# KiCad board Rogelio Pineda part 3-AMLDC-2044B.kicad_pcb (continued)
## Routing (per net, layer and track width the routed paths; a pad name or vN(x,y) marks a point on that pad's centre or on a via; arc(x,y) is an arc through that point) (continued)
 140.83,179.99 141.08,183.21 141.32,187 141.14,189.93 141.08,191.46 140.96,203.32 140.6,203.68 v1(140.6,205.14) ; v1(330.64,114.25) 331.13,112.8 331.2,110.96 330.82,95.45 v1(330.58,92.78) ; v1(172.28,187.12) 172.95,184.88 172.94,157.81 ; v1(132.44,340.66) 132.75,339.27 133.52,337.44 134.33,334.56 134.7,333.18 134.89,331.44 135.16,330.14 135.27,319.43 135.44,315.76 135.47,300.52 135.07,294.68 135.16,292.03 134.92,289.28 134.79,283.78 134.74,282.89 134.45,277.2 ; v1(322.65,349.66) 322.82,348.19 323.13,345.86 323.2,306.82 323.4,298.08 323.97,282.58 324.63,271.03 325.28,250.63 325.41,248.03 325.64,241.57 325.68,241.11 325.94,235.37 327.43,215.49 327.73,211.37 327.65,208.24 327.62,203.53 327.78,198.24 327.69,193.31 327.65,190.4 327.65,180.94 327.72,180.17 327.64,176.2 327.72,168.96 327.65,158.81 327.7,157.41 327.56,147.44 327.57,146.47 327.57,145.86 327.49,132.29 327.14,129.67 326.6,126.19 326.18,124.63 325.41,119.74 324.66,117.25 324.18,112.74 324.19,111.88 324.24,108.65 323.59,105.64 323.19,103.61 323.11,102.78 322.74,101.46 322.79,96.35 322.87,90.77 322.73,78.11 ; v1(404.6,298.61) 404.79,300.54 404.74,301.39 404.77,302.12 405.46,303.97 406.38,305.45 406.78,306.54 406.96,308.08 406.85,309.45 406.7,310.12 406.17,312.63 405.82,313.87 405.69,315.07 405.55,315.9 405.4,316.89 405.32,318.17 405.31,319.02 405.28,320.71 v1(405.18,321.54) ; v1(223.82,282.43) 224.06,256.68 v1(223.86,250.87) ; 138.87,333.85 138.47,337.01 137.8,338.83 136.98,341.39 135.81,344.63 134.8,348.28 133.77,350.6 133.33,352.37 132.62,354.17 131.88,356.2 v1(131.51,357.37) ; 333.29,75.81 333.33,76.33 333.33,77.63 333.5,79.6 333.99,81.67 334.22,83.31 v1(334.16,83.61) ; v1(177.78,201.16) 177.78,201.6 177.96,203.39 178.11,205.42 178.33,206.92 178.32,209.01 178.39,210.86 178.45,212.31 178.59,214.3 178.71,217.59 178.95,223.25 178.77,233.21 178.84,238.42 178.84,242.65 178.75,243.5 178.44,247.93 177.83,250.02 177.09,252.01 176.86,254.17 ; v1(406.78,302.19) 407.39,303.42 407.65,304.43 407.88,305.61 407.86,306.4 407.88,307.51 407.85,308.81 407.9,309.39 407.73,311.93 407.38,313.36 407.19,314.95 407.01,316 406.85,319.72 407.02,321.27 407.23,322.34 407.36,323.37 407.49,324.49 407.6,329.24 407.55,330.76 407.64,332.27 407.68,335.43 407.68,337.02 407.73,340.26 407.73,341.46 407.7,342.8 407.67,343.4 407.55,346.46 407.39,347.44 407.3,347.65 v1(407.02,348.06) ; 140.04,248.44 139.91,247.11 139.76,246.28 139.68,242.81 139.68,242.22 139.96,241.32 140.53,239.34 140.74,239.13 141.1,237.84 141.12,233.21 140.97,232.26 140.71,230.33 140.74,229.43 140.74,229.25 140.94,227.91 141.1,227.45 v1(142.07,226.6) ; 215.68,238.92 215.91,235.39 215.94,233.96 215.88,221.35 ; 370.25,76.4 370.16,93.68 370.16,94.82 370.13,94.99 369.95,108.04 369.91,110.38 369.57,122.51 369.57,123.94 369.52,124.55 369.5,125.47 369.46,128.17 369.48,130.05 369.66,132.03 370,134.07 370.15,140.75 370.03,144.2 369.36,147.68 368.81,150.18 368.83,155.64 368.88,156.23 368.92,157.48 369.04,163.19 369.11,164.55 369.18,167.62 369.27,167.98 369.53,169.15 369.74,170.24 369.95,171.16 370.09,172.34 370.53,175.48 370.45,180.87 370.36,180.95 370.43,182.88 370.36,188.62 v1(369.95,189.31) ; v1(335.56,100.16) 335.61,99.74 335.73,98.62 335.82,98.21 335.92,97.44 336.12,96.09 336.05,96.31 336.22,94.75 336.22,76.46 336.04,76.27 ; v1(218.29,58.14) 218.29,57.5 218.08,57.29 218.02,38.38 v1(218.08,34.12) ; v1(99.05,59.73) 98.24,59.68 98.05,59.66 97.01,60.46 96.38,61.55 95.8,62.95 95.68,64.12 95.43,65.18 95.35,66.53 95.24,66.64 95.27,68 95.27,69.06 95.22,70.5 95.22,71.39 95.37,72.46 95.52,75.04 95.61,76.72 95.69,79.09 95.7,79.35 95.6,80.01 95.28,82.35 94.5,83.75 94.09,84.66 93.13,86.03 92.18,87.09 90.79,88.54 89.59,89.34 88.73,90.04 87.69,90.63 86.92,91.12 86.04,91.63 85.67,91.77 v1(85.16,92.31) ; v1(173.04,30.88) 173.19,42.72 173.23,44.02 173.25,46.21 173.27,49.3 v1(173.46,49.49) 173.35,54.38 173.37,56.75 173.37,57.68 v1(173.43,57.74) ; v1(325.86,214.78) 326.02,213.99 326.22,213.18 326.35,203.71 326.58,197.6 326.58,186.95 326.59,186.94 326.51,148.16 326.49,146.51 326.31,140.74 326.27,139.99 326.23,139.72 326.07,137.1 326,135.86 325.94,134.97 325.96,135.07 325.88,134.37 v1(325.73,133.38) ; v1(223.62,159.18) 223.89,158.52 223.92,157.77 223.79,130.09 223.77,125.05 v1(223.72,116.1) 223.93,116.31 ; v1(183.52,311.68) 183.3,311.06 183.67,309.16 183.99,307.7 184.17,305 184.25,304.66 184.29,303.61 184.28,296.49 184.29,294.85 184.34,292.09 184.28,291.1 184.25,291.07 184.25,281.22 184.2,280.87 184.22,279.31 184.28,277.18 184.19,273.5 184.26,271.67 184.26,261.61 184.22,261.56 184.32,261.46 184.22,248.43 184.22,246.28 184.2,242.51 184.17,241.22 184.17,234.91 184.2,234.44 184.07,232.29 183.95,230.99 183.92,230 v1(183.62,228.01) ; 219.93,53.82 v1(219.89,53.85) 219.93,57.66 219.98,58.75 219.98,59.14 219.97,59.55 219.97,61.58 220.25,63.29 220.56,64.24 220.94,65.41 221.36,69.1 221.5,70.42 221.59,74.41 221.59,75.8 221.74,82.71 221.65,85.12 221.51,86.27 221.18,92.52 220.87,100.23 220.74,103 220.7,105.2 220.4,108.33 219.71,112.28 218.4,118.75 217.62,122.93 217.53,126.59 218.4,132.06 217.84,144.23 217.89,144.27 217.58,154.69 217.41,156.67 216.91,159.54 216.84,161.79 217,163.13 217.27,165.99 217.58,167.67 217.7,169.09 217.08,173.09 216.96,175.3 217.66,176.64 v1(218.79,178.41) ; 176.85,254.01 176.9,255.42 177.02,258.3 177.17,261.27 177.09,261.35 177.33,263.36 177.41,271.74 177.53,273.13 177.6,276.1 177.56,276.15 177.56,278.57 177.53,280.79 177.5,284.62 177.6,286.16 ; 101.8,122.57 101.82,124.06 102.38,126.52 103.04,128.71 ; 106.61,173.3 106.74,169.36 106.8,168.33 106.95,166.6 106.97,165.58 106.77,163.89 106.71,162.78 106.49,160.86 106.29,160 105.78,156.26 105.53,155.12 105.33,152.1 105.23,151.37 105.1,150.2 105.01,149.25 104.92,147.46 104.9,147.12 104.72,144.47 104.65,143.7 104.69,142.19 104.73,141.37 104.63,135.04 104.66,133.51 104.64,131.09 104.61,130.34 104.1,128.47 103.42,126.33 102.92,124.57 102.74,123.52 102.92,121.43 103.18,120.23 103.39,118.86 103.62,116.96 103.87,109.91 103.85,108.81 103.85,107.97 103.87,107.66 104.04,103.41 103.77,85.89 103.76,84.48 103.68,83.09 103.5,82.14 103.26,81.25 102.99,80.83 102.74,79.9 102.52,79.25 102.37,76.8 103,76.23 104.02,75.25 104.39,74.69 104.48,73.73 103.69,71.69 103.35,69.78 103.83,68.68 104.42,66.52 104.67,65 104.67,60.69 104.66,60.62 104.38,58.31 104.22,57.63 104.15,56.8 103.98,55.83 103.9,55.27 v1(103.81,54.59) ; v1(133.85,301.75) 133.71,300.91 133.56,299.9 133.63,292.95 133.17,281.95 132.93,276.16 132.78,272.42 132.55,267.22 132.49,264.93 132.41,261.87 133.2,258.37 132.62,256.14 132.49,250.46 132.91,244.58 133.23,237.34 133.52,234.66 134.07,225.39 134.27,223.55 134.4,219.06 134.49,216.74 134.75,206.6 135.27,205.98 v1(135.65,205.07) ; v1(372.38,208.11) 372.62,208.35 372.62,219.08 372.6,220.19 372.83,223.91 373.34,225.11 373.95,226.27 374.13,226.61 374.69,228.52 374.67,230.19 374.75,231.31 374.82,234.69 374.78,235.22 374.79,235.67 374.9,255.53 374.77,256.27 374.67,256.65 374.54,257.25 374.26,258.19 374.17,258.33 373.89,258.94 373.74,259.35 373.25,260.33 372.88,261.31 372.36,262.77 372.4,263.78 372.48,264.05 372.67,265.48 373.12,266.68 373.5,268.65 373.41,270.27 373.09,272.62 372.71,273.55 372.43,275.46 372.42,276.19 372.55,276.95 372.95,277.73 373.79,279.54 373.91,281.42 373.89,281.44 373.96,282.43 373.98,285.43 374.01,286.15 374,286.83 374.26,300 374.05,301.67 373.78,305.04 373.07,307.65 373.13,309.39 373.22,309.97 373.57,311.16 374.23,313.31 374.18,322.05 374.08,323.45 373.9,324.62 373.64,325.24 373.06,326.35 372.78,326.83 372.5,327.69 372.32,328.41 372.32,329.56 372.6,331.16 372.64,332.29 372.78,333 372.84,334.51 372.81,335.93 372.96,338.24 372.93,338.87 372.86,341.51 372.99,341.64 372.99,346.76 v1(372.92,346.83) ; v1(168.53,68.49) 168.53,69.14 169.32,70.49 169.76,71.73 170.06,73 169.87,75.9 169.78,76.55 169.59,78.5 170.41,81.65 170.83,82.46 171.11,83.02 171.42,83.86 171.81,85.5 171.9,91.56 171.87,94.64 171.66,102.53 171.61,104.58 171.65,111.94 171.21,113.94 170.91,114.64 169.85,117.82 169.55,118.93 169.09,121.56 169.15,126.4 169.12,127.77 169.15,131.71 169.27,134.89 169.36,136.8 ; v1(180.55,311.91) 180.75,308.75 180.81,307.86 181,305.22 181.1,304.26 181.24,293.3 181.16,291.69 181.05,288.03 180.93,286.21 180.49,282.48 180.57,281.53 180.98,279.05 181.4,277.78 181.73,274.15 181.82,272.64 182.1,260.16 182.14,258 182.02,254.79 v1(182.27,254.55) ; v1(131.71,292.85) 131.95,291.19 132.04,289.87 132.08,285.68 132.16,279.77 131.89,274.37 131.85,273.71 131.81,273 131.62,269.65 131.6,269.51 131.56,265.96 131.51,263.42 131.41,261.42 131.48,260.44 131.84,258.42 131.95,256.92 131.3,254.86 130.62,254 v1(130.37,253.41) ; v1(335.76,208.66) 335.55,209.83 335.45,210.31 335.36,210.58 335.51,240.85 335.24,252.93 335.55,256.19 335.87,256.89 336.04,258.11 336.18,258.45 336.29,259.77 336.39,260.19 336.54,260.89 336.75,261.8 336.88,262.57 336.99,263.67 336.99,264.28 337.2,275.03 336.94,276.5 336.75,278.63 336.56,279.32 336.35,281.68 336.1,282.88 v1(336.02,283.35) ; v1(216.39,132.92) 216.46,132.99 216.46,142.31 216.47,145.42 216.63,150.54 216.7,151.22 216.49,154.38 216.52,154.88 216.2,156.99 216.01,159.51 215.89,161.55 216.06,166.88 215.94,170.13 215.88,178.49 ; 180.91,120.22 180.6,132.14 180.35,133.44 180.22,145.04 180.39,146.19 180.73,150.64 180.86,152.43 181.11,154.16 181.35,155.95 181.5,157.49 181.75,158.38 182.01,160.22 182.14,160.86 v1(182.27,161.86) ; 130.75,318.48 130.32,317.83 130.15,313.91 130.32,309.87 130.4,307.51 130.5,300.5 130.35,298.55 130.23,294.95 129.96,293.85 129.7,290.73 129.78,290.08 130.1,288.42 v1(130.3,287.57) ; 130.75,318.48 131.6,319.33 v1(131.71,319.33) ; 130.75,318.48 130.88,318.67 ; v1(286.5,286.16) 286.3,284.64 286.39,276.31 286.66,258.83 286.12,255.34 285.87,253.5 286.44,250.01 v1(286.44,249.32) ; 324.31,78.27 324.44,78.15 ; v1(142.27,229.81) 142.42,232.14 142.21,238.24 141.81,239.53 141.14,241.23 140.71,243.04 140.87,243.96 141.6,246.23 v1(142.07,247.06) ; v1(367.03,349.44) 367.01,349.42 367.14,348.64 366.88,346.87 366.67,345.1 366.58,344.59 366.48,343.59 366.35,343 366.24,341.95 366.19,341.04 366.16,340.79 366.12,339.09 366.04,338.28 365.96,337.74 365.89,336.53 365.86,336.37 365.59,333.82 365.42,332.53 365.13,330.51 364.91,329.16 364.75,327.43 364.65,326.54 364.51,325.69 364.48,324.94 364.45,324.1 364.39,323.23 364.27,320.19 364.25,319.18 364.11,315.77 364.11,313.98 364.18,310.83 364.16,310.25 364.26,309.28 364.24,308.32 364.37,305.78 364.19,305.21 v1(364.19,305.08) 364.2,304.34 363.8,301.6 363.66,300.83 363.63,299.39 363.64,298.49 363.64,296.96 363.69,295.92 363.65,294.33 364.02,291.89 364.35,290.4 364.63,288.76 364.73,287.96 364.73,287.04 364.78,286.32 364.72,285.9 364.62,285.32 364.12,284.4 363.72,283.83 363.29,283.41 v1(363.29,283.34) 363.33,280.99 363.23,277.38 362.96,268.16 362.91,267.26 362.88,261.67 362.91,260.87 362.92,259.41 363.01,258.29 362.99,258.08 363.02,257.3 363.08,256.77 363.32,255.03 363.5,253.7 363.74,252.65 363.96,251.81 363.92,251.78 v1(363.92,251.31) ; v1(82.92,94.2) 83.07,94.34 86.09,94.08 86.47,93.99 87.74,93.26 88.68,92.64 89.77,91.78 91.45,90.09 92.96,88.21 93.78,87.04 94.61,85.54 95.55,83.74 96.48,81.88 96.55,80.59 96.47,77.94 96.25,69.37 96.25,66.96 96.41,65.26 ; 102.46,134.39 102.15,129.67 101.71,127.81 100.9,124.77 100.87,121.82 101.05,120.61 ; 104.52,122.17 104.65,119.95 104.75,118.41 104.91,108.79 104.91,106.69 104.94,85.53 104.89,84.46 104.92,83.82 104.85,83.1 104.7,81.05 104.34,78.15 v1(103.99,77.79) ; v1(410.78,351.88) 411.56,350.79 411.46,333.86 411.47,331.94 411.34,325.99 411.4,324.98 411.35,320.96 411.32,317.33 411.3,314.06 411.27,312.71 411.15,305.85 411.14,305.32 411.19,304.52 411.06,298.88 410.92,297.24 410.67,296.52 410.31,292.95 410.23,290.23 410.05,283.84 410.07,281.69 410.18,280.55 410.23,279.8 410.46,278.22 410.6,277.43 410.94,274.92 411.14,272.83 411.34,270.53 411.26,268.29 411.18,267.49 411.14,266.7 410.9,265.49 410.57,263.52 ; v1(318.62,251.59) 318.43,234.66 v1(318.55,232.58) ; v1(410.28,251.43) 410.18,253.01 409.94,254.97 409.83,256.01 409.89,256.94 409.89,257.18 409.84,257.04 409.93,259.65 410.11,260.98 410.38,262.48 410.58,263.58 ; v1(182.24,238.17) 182.24,249.35 v1(182.17,249.41) ; v1(401.86,268.06) 401.86,268.84 401.5,270.13 401.46,270.62 401.28,271.56 401.01,276.23 401.12,278.76 ; v1(338.37,327.94) 338.37,325.97 338.39,325.95 338.16,318.38 338.21,317.12 337.77,307.31 337.79,304.87 v1(337.49,299.56) 337.84,298.1 338.06,296.98 338.12,296.24 338.33,295.32 338.46,294.46 338.57,293.27 338.6,289.95 338.57,288.93 338.57,274.78 338.54,274.74 338.57,274.71 338.48,260.27 338.48,258.72 v1(338.22,257.9) 338.64,256.78 338.75,253.37 338.62,248.02 338.5,246.87 338.41,243.53 338.42,242.29 338.3,241.31 v1(338.15,240.22) ; v1(251.51,269.95) 251.85,271.17 252.4,273.72 252.57,277.29 252.71,278.98 252.98,284.11 253.54,289.49 253.46,293.03 252.52,297.47 252.18,303.38 252.18,307.05 252.3,311.37 253.39,316.22 253.03,319.55 251.25,324.71 251.16,335.26 251.21,335.32 251.02,336.79 250.95,343.26 250.9,343.31 250.9,351.05 250.98,353.22 251.4,357.84 251.93,359.18 v1(252.69,360.04) ; 365.72,294 365.68,296 365.6,298.05 365.79,299.93 365.84,300.39 365.91,300.79 365.99,301.32 366.03,301.62 366.21,302.75 366.3,303.63 366.33,304.17 366.4,304.78 366.37,305.72 366.37,306.65 366.31,308.37 366.3,309.28 366.28,309.93 366.19,311.38 366.21,312.1 366.17,313.12 366.28,314.81 366.33,315.5 ; v1(82.11,293.39) 82.37,295.69 82.52,296.34 82.93,298.72 83.41,300.05 84.25,302.63 85.41,305.06 86.96,309.11 87.87,310.31 ; v1(99.01,62.15) 97.45,63.21 96.62,64.7 96.41,65.41 96.41,65.13 ; v1(334.1,86.47) 333.9,87.17 333.65,88.7 333.5,90.36 333.31,91.35 333.19,94.09 333.22,94.12 333.11,101.64 333.62,103.15 333.96,104.3 334.41,105.16 334.69,106.24 334.81,106.98 334.81,110.1 334.66,110.97 334.63,111.61 334.48,112.36 334.36,113.57 334.2,114.24 v1(333.96,115.04) ; v1(337.09,172.78) 336.67,171.74 336.34,171.01 335.81,170.06 334.59,168.15 334.32,167.58 334.09,166.6 334.33,164.86 334.66,163.92 334.86,163.3 335.28,161.86 335.43,161.06 335.63,160.24 335.68,156.77 335.95,155.07 336.26,153.47 336.61,151.63 337.06,149.07 337.4,147.67 337.85,143.34 337.82,141.31 337.99,140.6 337.93,140.54 338.01,138.97 338.25,134.68 338.33,132.67 338.31,131.37 338.38,130.07 338.43,128.2 338.45,126.03 338.25,122.8 337.59,121.45 336.97,119.51 v1(336.76,119.29) ; v1(291.75,155.83) 291.27,154.59 291.16,153.6 291.31,152.28 291.27,150.27 291.6,146.09 292.03,135.05 292.69,104.3 292.75,80.86 292.68,75.63 292.58,23.95 292.54,21.15 292.42,20.12 292.23,19.02 292.2,18.42 v1(291.65,17.13) 291.65,17.1 ; 135.29,260.61 134.93,262.81 134.8,264.71 134.93,266.16 135.07,269.38 135.18,271.07 135.31,275.11 135.43,276.97 135.71,281.89 135.74,284.26 136.04,290.89 136.08,293.23 136.27,296.84 136.33,300.16 136.33,328.63 136.18,329.16 135.78,332.77 135.03,336.81 134.53,339.74 134.54,340.08 133.73,343.14 133,345.57 132.79,346.76 v1(132.64,347.34) ; 135.29,260.61 135.3,259.22 134.76,257.06 134.7,249.03 134.97,243.85 ; 135.29,260.61 135.29,259.06 ; 325.95,98.63 325.84,97.46 325.84,76.15 ; 325.95,98.63 325.91,97.53 ; 325.95,98.63 326.29,108.43 326.27,111.76 326.36,113.04 326.52,114.36 326.82,116.4 327,117.1 327.41,119.56 327.76,121.3 327.96,122.3 328.51,124.42 328.75,126.04 328.96,126.89 329.27,127.93 329.42,128.99 329.81,130.84 329.78,131.65 329.78,132.41 329.88,133.93 329.97,148.6 330.01,154.07 329.97,168.15 330.01,172.61 329.94,181.38 329.95,182.97 330.1,195.91 329.97,196.03 329.97,205.31 329.87,205.41 329.87,214.44 329.78,214.53 329.78,220.1 329.71,221.17 329.62,225.24 v1(329.38,225.47) ; v1(82.48,58.5) 83.06,58.5 83.69,58.28 84.34,58.1 85.72,57.64 86.54,57.42 86.35,57.42 87.69,57.3 89.08,57.74 89.78,58.27 90.72,59.3 90.35,62.54 90.24,63.15 90.03,64.81 89.94,65.95 89.8,68.27 89.96,70.37 90.22,73.54 90.41,76.06 90.56,77.64 90.36,78.88 89.74,79.62 88.93,79.89 v1(88.93,79.91) ; v1(332.1,288.99) 332.63,313.16 332.59,341.63 332.19,342.03 v1(332.19,342.52) ; v1(287.7,331.96) 286.38,328.99 285.79,327.4 285.1,324.99 284.87,313.18 284.82,311.84 284.82,302.52 284.93,302.22 285.14,300.09 286.43,294.77 287.16,291.36 ; v1(139.23,23.97) 138.68,25.45 138.62,26.89 138.52,27.52 138.54,27.9 138.49,28.71 138.65,64.47 138.53,68.81 138.03,72.63 138.42,78.53 138.42,81.28 138.47,82.78 138.57,84.86 138.53,84.9 138.55,85.83 138.61,86.5 138.61,87.61 138.49,90.07 138.33,93.89 138.37,93.92 138.2,95.57 138.03,99.19 138.12,102.48 138.2,107.15 138.27,107.22 138.25,107.24 138.25,113.34 v1(138.33,113.41) 138.22,115.28 138.08,116.61 137.87,118.75 137.72,119.77 137.68,121.52 137.66,121.54 137.66,128.32 137.8,130.43 137.94,132.49 138.49,138.05 138.49,137.85 ; 289.21,74.25 v1(289.35,74.43) 289.57,86.26 289.16,119.82 289.16,120.28 v1(288.72,120.72) ; 212.97,307 213.02,306.7 213.02,310.15 212.42,317.84 212.32,321.16 212.32,323.1 212.51,326.46 212.6,327.85 212.67,328.96 212.9,330.03 213.02,333.44 213,334.87 213.04,338.7 212.9,340.34 212.79,342.91 212.72,346.09 212.81,349.51 212.88,349.58 212.93,352.8 213.02,353.78 213.32,357.07 v1(213.48,357.77) ; v1(171.03,170.74) 170.72,172.37 170.52,173.51 170.37,174.54 170.17,175.77 170.17,186.84 170.19,188.44 170.49,196.73 170.46,196.76 170.46,202.82 170.21,203.07 170.21,222.66 170.25,222.7 170.11,243.86 171.46,251.56 171.24,253 170.86,253.87 170.5,255.51 170.31,257.18 170.16,258.31 170.21,258.36 170.21,271.73 170.15,272.39 170.12,272.89 170.07,280.46 170.07,287.8 170.29,289.19 v1(170.93,290.34) ; 408.9,192.41 408.78,190.65 408.73,189.66 408.67,188.76 v1(408.75,187.85) ; v1(103.69,327.17) 103.77,326.1 104.34,321.72 104.49,320.78 104.97,318.93 105.36,317.35 105.72,315.09 105.63,312.15 104.92,309.08 103.82,307.56 103.21,306.62 102.66,305.82 101.42,304.14 101.3,303.94 100.6,302.78 100.27,300.03 99.9,297.79 99.61,295.33 99.37,294.49 98.54,291.52 97.58,289.29 97.1,286.82 97.44,284.33 98.32,282.86 98.65,280.9 98.16,277.4 97.57,276.03 97.4,274.75 97.28,273.94 97.28,271.86 97.85,269.97 99.28,267.76 99.89,267.09 100.91,265.63 101.87,263.2 102.46,260.04 102.5,258.84 102.56,254.98 103.19,251.7 102.94,248.51 102.73,247.61 ; 371.74,76.59 371.68,100.9 371.77,114.52 372,123.31 372.17,124.65 372.32,126.37 372.5,127.99 372.64,129.07 372.9,144.76 372.18,146.64 371.63,148.37 371.2,149.5 371.03,150.43 370.8,151.72 370.73,153.11 370.8,154.29 370.84,155.27 371.04,160.6 371.1,166.21 371.35,168.75 371.88,170.71 372.05,172.85 372.26,174.63 372.33,195.98 372.4,200.92 372.28,202.85 372.27,203.77 371.53,205.34 371.22,206.02 370.34,207.6 370.28,209.26 370.32,209.73 370.45,211.19 370.54,211.95 370.78,213.25 370.84,213.81 370.88,214.53 370.79,219.04 370.88,223.84 371.32,225.02 371.73,226.21 372.4,228.3 372.46,230.34 371.95,232.01 371.56,232.89 371.13,233.57 370.8,234.44 370.57,235.14 370.73,235.84 370.89,236.47 371.18,237.15 371.31,237.61 371.6,238.31 371.74,240.14 371.54,254.88 371.32,256.1 371.3,256.55 371.09,257.07 370.97,257.49 370.83,258.01 370.55,259.07 370.15,259.95 370.08,260.41 369.79,261.18 369.59,262.49 369.66,263.97 369.66,264.73 369.6,264.79 369.81,265.61 369.98,266.12 370.14,267.04 370.49,268.58 370.48,269.27 370.54,270.28 370.46,270.74 370.35,271.41 370.05,272.43 369.88,273.4 369.58,274.32 369.39,276.48 369.47,278.66 369.64,280.98 369.77,281.72 370,282.71 370.79,284.43 371,285.2 371.18,285.8 371.33,287.44 371.28,288.34 371.23,289.12 370.98,290.92 370.73,293.09 370.74,293.85 370.78,294.6 370.78,295.07 370.78,295.36 370.83,296.01 370.78,297.37 370.91,298.82 371.01,301.31 371.01,301.97 371.11,302.98 371.28,304.17 ; v1(169.72,53.2) 169.35,53.2 168.4,54.26 168,55.82 167.92,56.61 168,61.71 168.43,65.12 168.24,65.8 v1(168.47,66.02) ; v1(175.45,325.99) 174.88,325.43 174.7,316.18 173.89,314.39 173.13,312.38 172.87,310.84 172.72,309.67 172.72,307.94 172.58,306.44 172.77,301.71 173.22,298.64 173.71,291.83 ; 324.05,120.03 324.02,120.05 ; 324.02,120.05 323.88,118.62 323.58,117.1 323.18,115.71 322.79,114.28 322.68,113.67 322.26,110.93 v1(322.47,110.59) ; 281.45,204.58 281.45,206.56 281.48,206.59 v1(281.48,208.66) 281.43,209.79 v1(281.65,226.57) 282.53,230.07 ; v1(217.55,252.11) 217.11,252.55 217.11,280.85 217.52,281.25 217.39,281.37 v1(217.39,283.87) ; 331.38,345.67 331.16,345.89 v1(331.16,360.82) ; v1(82.15,280.4) 83.46,281.71 84.25,283.02 85.29,285.16 86.19,286.9 86.91,287.88 87.89,289.27 88.79,290.14 88.82,290.14 89.66,291.24 v1(91.4,292.68) ; 335.96,114.32 335.8,115.13 335.43,115.87 335.09,116.88 334.68,117.74 334.68,118.33 334.86,119.57 335.08,120.38 v1(335.43,121.89) ; 290.54,19.95 290.64,23.15 290.79,24.91 290.97,27.31 ; v1(287.53,118.27) 287.26,118.54 287.44,130.51 ; v1(320.94,248.99) 320.67,247.35 320.68,240.38 320.65,239.33 320.57,236.32 320.51,234.16 320.24,228.83 320.14,227.1 320.08,226.41 319.91,223.88 319.55,217.04 319.4,214.57 319.4,209.79 319.82,202.58 319.82,200.79 320.04,199.63 320.18,198.36 320.68,194.65 320.94,191.41 321.2,188.96 321.31,187.32 321.43,184.7 321.48,183.38 321.61,181.38 321.87,168.16 322.17,151.54 322.01,145.27 321.98,142.37 321.67,138.77 321.47,137.5 321.06,136.03 320.94,135.14 320.81,134.33 320.76,133.45 320.57,132.65 320.24,129.16 320.09,125.11 v1(319.94,120.82) ; 178.52,26.96 178.5,26.98 ; 178.5,26.98 178.5,30.24 178.51,31.74 178.23,34.48 178.04,36.19 177.83,47.53 177.7,53.24 177.47,56.65 177.27,57.99 177.14,58.87 176.76,62.5 176.79,64.16 176.84,65.1 176.85,65.5 177.41,68.97 177.5,70.23 177.58,70.79 177.57,70.81 177.69,73.9 178.1,79.9 178.03,82.67 178.09,83.84 178.11,84.99 177.86,95.15 178.04,103.81 178.05,103.83 178.05,107.35 178.12,109.94 178.46,119.54 178.72,121.97 178.67,122.02 178.79,124.02 178.59,126.12 178.33,128.7 178.02,133.97 178.05,140.47 178.12,141.49 178.32,148.67 178.43,150.37 178.51,153.41 178.77,154.91 178.87,157.24 179.18,158.67 179.23,159.58 179.39,161 179.13,163.17 179.03,164.6 179.08,165.54 179.28,166.16 179.81,166.69 v1(179.81,166.82) ; 178.5,26.98 178.24,25.29 177.82,22.45 177.37,20.44 176.73,18.27 176.35,17.57 v1(176.09,16.38) ; v1(290.38,229.99) 289.92,230.44 289.82,234.51 289.78,235.27 289.85,236.71 289.86,239.99 289.97,241.47 290.06,242.26 290.2,243.45 290.76,246.32 291.05,248.32 291.49,253.24 291.61,254.61 291.86,257.64 291.87,261.38 291.99,262.25 291.79,263.36 291.04,266.09 290.48,268.09 290.48,268.54 289.88,269.83 289.68,274.62 289.77,277.41 289.75,279.15 289.83,298.58 289.91,300.78 v1(290.26,301.62) ; v1(366.71,318.26) 366.36,316.87 366.33,315.37 ; 87.8,310.21 89.17,311.6 89.62,311.73 90.29,311.78 91.65,311.45 92.85,310.39 ; v1(168.93,50.8) 168.83,50.71 v1(168.83,43.67) 168.83,43.55 ; 252.32,30.99 252.28,35.67 252.16,38.53 252.03,78.27 252.07,78.31 252.13,82.96 251.23,114.58 251.27,116.75 v1(251.67,117.9) 253.29,124.88 253.09,129.06 253.22,132.31 253.53,134.05 253.69,142.3 253,145.72 252.82,147.92 252.98,151.13 252.87,160.07 v1(252.74,161.68) ; 134.96,244.08 134.97,242.86 135.32,238.1 135.45,236.8 135.74,233.23 135.85,231.62 136.24,225.97 136.83,220.18 137.32,211.6 v1(137.46,209.62) ; 99.61,282.82 98.08,285.56 98.5,287.58 99.13,289.17 99.87,290.54 100.35,291.31 v1(100.66,292.16) ; 130.97,148.53 130.99,145.75 130.95,141.8 130.95,137.43 130.91,137.4 130.73,130.73 130.63,125.91 130.59,114.52 130.77,108.05 131.03,105.47 131.07,103.7 131.41,98.66 131.84,96.14 131.9,94.46 132.75,89.3 132.96,87.82 133.21,86.62 132.87,74.12 v1(132.85,69.21) ; 217.92,83.53 217.84,83.62 v1(217.84,83.74) 217.72,83.74 217.36,84.1 217.48,86.76 216.82,97.89 216.75,100.76 216.64,103.42 215.58,115.56 215.39,117.48 215.23,120.75 214.57,127.19 214.37,132.15 214.44,133.98 214.49,135.92 214.77,141.75 214.92,144.52 215.53,150.32 ; v1(368.47,266.79) 368.69,267.13 369.48,269.1 369.6,270.03 369.52,270.87 369.48,271.16 369.21,272.55 368.8,273.75 368.66,275.21 368.61,275.96 368.61,276.29 368.61,281.08 368.82,281.72 368.95,282.16 369.17,282.92 369.67,284.32 370.46,286.97 370.39,287.93 370.34,288.7 370.11,290.3 369.95,291.1 369.87,292.18 369.82,293.32 370.03,300.89 370.15,303.33 370.39,305.33 370.49,305.88 370.73,306.85 371.04,308.24 371.46,310.59 371.67,311.6 371.95,313.1 372.15,314.21 372.35,317.93 372.35,319.29 372.24,320.2 372.18,321.48 372.05,322.17 371.35,323.67 v1(370.81,324.15) ; 329.28,75.69 329.04,81.46 328.84,86.47 328.82,88.4 328.78,93.14 328.81,94.4 329.02,100.3 329.12,101.55 329.31,108.01 329.34,108.04 329.34,111.88 v1(329.51,112.05) ; v1(139.4,267.45) 139.59,267.25 139.59,262.22 139.22,259.37 138.66,256.15 138.71,253.01 139.07,250 139.03,249.06 139.03,247.32 138.77,245.94 138.66,242.23 139.16,240.47 139.75,238.25 139.91,236.96 140.03,236.46 140.05,234.9 140.06,233.23 140.1,232.5 139.89,230.77 139.82,229.05 139.99,226.96 140.23,225.88 140.4,225.15 v1(142,222.79) ; v1(410.8,152.25) 410.96,156.57 411.19,193.57 411.26,193.63 411.26,201.56 411.36,205.41 v1(411.5,215.28) 411.56,216.47 411.71,224.09 411.68,224.12 411.68,235.42 411.85,244.73 411.71,259.37 411.45,259.64 v1(411.45,260.26) ; v1(372.52,280.87) 372.16,279.67 371.98,279.09 371.86,278.62 371.49,277.4 371.29,275.64 371.69,273.6 372.16,272.34 372.54,270.75 372.55,269.14 372.23,267.67 371.74,266.4 371.62,265.69 371.49,265.07 371.35,263.72 371.56,261.91 371.72,261.25 372.35,259.71 372.83,258.4 373.27,257.45 373.64,255.72 373.79,254.72 373.76,230.5 373.63,229.56 373.58,228.91 373.44,227.93 373.09,227.01 372.43,225.57 372.13,224.57 371.74,222.56 371.69,213.26 371.64,212.92 371.53,212.35 371.26,210.05 371.15,209.11 371.18,208.05 371.39,207.55 371.7,206.76 372.08,206.32 372.32,205.95 372.52,205.45 373.19,204.08 373.33,173.45 373,170.77 372.54,169.3 372.12,167.75 372.03,162.86 372.09,161.41 372.29,161.02 372.35,160.57 372.44,159.89 372.79,157.92 372.59,154.04 372.56,153.63 372.51,151.01 v1(372.38,150.88) ; 103.57,147.79 103.84,150.49 104.23,153.03 104.93,157.42 104.9,158.42 104.83,160.94 104.77,161.9 104.44,165.3 104.32,166.4 103.96,170.55 103.86,171.63 103.76,176.31 104.01,177.47 104.01,177.67 104.36,179.11 104.33,179.71 104.73,180.44 104.94,182.96 105.04,184.56 105.48,187.19 105.52,187.54 105.99,190.8 106.12,191.66 106.61,194.34 106.81,195.85 107.25,198.67 107.25,198.88 107.45,201.41 107.65,203.1 107.75,204.96 107.74,206.13 107.83,217.14 107.85,217.61 107.54,220.46 107.21,221.44 106.86,222.63 105.2,225.28 103.96,227.54 103.47,229.67 103.59,233.06 103.54,233.87 103.54,243.38 103.49,244.32 103.7,247.9 104.27,249.46 104.27,251.72 104.18,253.34 103.86,254.4 103.57,255.82 103.56,256.14 103.44,258.89 103.47,258.92 103.32,260.83 103.32,261.46 102.81,264.2 102.55,264.88 101.08,267.23 99.81,268.77 99.31,269.34 98.25,271.36 98.14,272.52 98.54,273.87 99.05,274.84 99.39,275.63 100.36,278.09 100.84,279.51 100.58,280.85 100.13,282.1 99.48,283.05 ; 211.4,67.02 211.4,67.03 v1(211.39,67.04) 211.4,67.05 211.4,67.86 211.5,67.96 211.71,68.82 211.68,69.02 211.92,70.02 212.11,71.1 212.39,72.87 212.6,74 212.9,76.51 213.07,77.89 213.08,84.91 213.07,86.28 213.11,92.49 213.02,96.78 213.07,97.76 213.03,98.87 213.07,102.15 213.09,103.45 212.79,117.53 212.93,120.98 ; 139.95,160.36 139.66,158.01 139.33,155.68 139.37,155.64 139.26,151.31 139.17,147.94 138.85,141.76 138.72,140.88 138.49,137.45 ; v1(362.84,143.32) 362.65,144.14 362.43,145.63 362.42,149.35 362.46,151.69 362.53,153.7 362.62,156.28 362.63,157.59 362.7,160.64 363.15,167.96 363.25,170.25 v1(363.25,172.43) ; v1(289.75,176.73) 289.75,177.22 289.78,177.93 289.61,178.87 289.34,182.31 289.35,183.76 289.38,184.55 289.3,190.8 289.7,193.24 289.99,194.42 290.25,195.54 290.59,196.92 291.16,198.52 291.7,200.62 292.49,202.93 292.89,204.21 v1(292.98,205.39) ; v1(208.73,180.8) 208.54,181 208.9,181.69 208.43,255.44 208.42,302.46 208.51,305.28 208.57,306.76 208.63,307.58 209.35,309.35 210.07,311.08 210.54,313.01 210.67,314.61 211.2,318.68 211.26,321.05 211.43,323.8 211.45,325.55 211.82,332.3 211.86,333.1 211.93,333.21 211.93,339.33 211.8,340.17 211.62,348.31 211.68,351.46 211.54,360.98 v1(211.89,361.32) ; v1(143.65,170.32) 143.55,170.06 143.7,169.16 144.06,166.9 143.91,157.13 143.89,152.72 143.99,150.88 143.96,148.29 143.94,144.44 143.84,138.91 143.86,133.24 143.78,124.44 143.63,119.53 143.55,118.8 143.35,117.84 142.97,116.46 142.32,114.87 142,114.07 141.57,113.29 140.74,110.84 140.58,101.91 140.64,100.48 140.47,90.23 140.64,85.78 140.61,84.86 140.63,84.32 140.69,83.04 140.58,79.21 141.19,75.53 141.22,73.93 141.17,73.44 141.12,72.27 140.87,69.69 140.87,52.29 140.92,52.16 141.6,50.2 142.33,48.79 142.27,31.22 142.28,29.46 142.62,27.65 v1(143.17,26.55) ; v1(96.24,240.44) 96.03,240.44 95.03,240.12 94.4,239.88 93.49,239.65 93.18,239.48 91.86,238.9 91.25,238.34 90.58,237.67 89.69,236.64 v1(89.69,236.56) ; 172.94,157.91 172.95,157.3 172.82,154.66 172.8,151.69 172.52,148.13 172.19,146.29 171.89,145.09 171.4,142.73 170.63,138.61 170.59,135.96 170.29,128.29 170.29,126.97 170.31,125.1 171.1,122.52 v1(171.1,122.21) 171.2,120.69 171.55,118.7 171.93,116.3 172.64,113.92 172.76,103.97 172.74,103.95 172.87,97.49 172.97,96.55 172.97,84.97 172.97,84.63 172.8,84.12 171.82,81.46 171.35,80.41 170.88,79.36 170.79,78.09 170.82,76.47 170.94,75.58 171.09,74.82 171.4,73.23 171.4,73.02 171.14,69.77 170.78,66.64 170.48,65.3 170.27,63.64 170.12,62.3 170.05,61.45 169.86,60.25 169.75,58.45 v1(169.65,56) ; 177.53,285.83 177.76,288.08 177.8,291.16 177.78,291.12 177.76,293.88 ; v1(217.55,21.4) 217.55,-1.53 ; 213.02,306.77 212.72,304.78 212.32,303.02 211.79,298.66 v1(211.77,296.64) 211.81,296.59 211.81,282.07 211.7,260.92 211.65,260 211.61,255.76 211.42,254.02 211.58,224.83 211.56,223.6 211.67,215.86 v1(212.05,203.15) ; v1(363.07,339.23) 363.12,339.73 363,341.32 362.83,342.1 362.72,345.47 362.72,346.26 362.72,349.43 362.69,349.65 362.76,350.32 362.89,351.01 v1(363.11,351.96) ; 215.89,221.54 215.48,213.84 215.45,213.05 215.23,206.22 215.19,204.97 214.96,201.47 214.89,200.21 214.55,195.77 214.42,194.34 214.12,190.87 v1(213.84,189.5) ; v1(105.87,177.28) 106.32,175.66 106.62,173 ; v1(364.06,148.63) 364.15,148.25 364.18,145.94 364.24,144.57 364.23,136.16 364.27,135.22 364.23,126.27 364.22,124.2 364.25,123.26 364.34,114.83 364.32,114.81 364.32,108.92 364.28,105.41 364.35,102.64 364.36,100.27 364.46,96.85 364.43,96.06 364.54,92.69 364.59,91.86 364.61,91.09 364.64,89.91 v1(364.78,81.1) ; v1(105.09,31.77) 105.1,34 105.16,35.7 105.24,36.94 105.51,44.07 105.47,46.5 105.61,54.28 105.68,60.54 105.58,70.34 105.24,70.68 v1(105.24,71.14) 105.77,73.61 105.75,84.61 105.88,89.2 105.94,105.24 105.94,108.98 105.96,109 105.96,111.6 106.01,111.65 106.01,116.43 105.99,116.45 105.99,120.02 105.96,120.06 105.92,122.77 105.88,123.47 105.88,125.63 105.88,126.27 105.84,142.24 105.81,143.16 105.94,145.34 105.97,146.27 106.24,151.14 106.4,152.05 106.37,153.29 106.48,154.04 106.64,155.3 106.87,156.31 106.93,157.84 107.08,158.6 ; 371.24,303.59 371.41,305.29 371.63,306.59 372.07,308.46 372.05,308.48 372.2,309.07 372.34,310.06 372.61,311.03 372.97,312.55 373.22,314.2 373.29,319.56 373.25,319.99 373.18,321.99 372.99,323.44 372.62,324.52 372.23,325.33 371.79,326.58 371.29,328.02 371.25,328.47 370.87,330.63 v1(370.76,331.58) ; 103.45,141.83 103.52,134.27 103.55,133.22 103.3,129.73 102.96,128.4 ; v1(365.59,358.3) 366.32,358.56 367.33,358.53 370.68,358.39 v1(371.84,358.39) ; v1(287.58,206.32) 287.5,205.22 286.74,196.86 286.47,192.6 286.22,181.79 286.26,173.23 286.38,103.64 286.3,97.44 286.49,81.06 286.36,78.01 286.21,65.22 286.23,59.04 v1(286.72,56.94) 286.72,56.89 ; v1(223.82,230.56) 223.94,233.05 224.13,246.28 223.61,247.46 223.02,248.81 222.4,250.05 222.34,251.28 222.31,251.31 222.31,257.92 222.4,258.01 222.4,265.1 222.28,267.33 222.12,288.55 222.12,290.09 222.28,294.07 222.25,295.26 222.38,296.31 222.4,297.41 v1(222.5,299.35) 222.53,299.38 222.81,302.62 223.02,303.7 222.7,306.31 222.21,308.53 221.14,310.78 220.46,311.88 219.93,312.94 219.84,322.86 219.75,324.36 220.17,331.83 220.28,333.63 220.32,334.98 220.61,336.28 220.33,340.17 v1(220.3,341.57) ; 102.46,134.12 102.33,138.03 102.11,142.81 101.58,144.23 101.24,146.13 101.38,147.24 v1(101.64,148.3) 101.78,148.44 102.07,149.75 102.41,150.73 102.96,153.13 103.18,153.5 103.65,156.46 103.7,156.81 103.66,158.98 103.65,159.5 103.45,162.2 103.42,163.22 103.33,164.73 103.26,164.91 102.94,167.32 102.87,168.33 102.7,170.77 102.69,171.33 102.49,173.6 102.42,174.7 102.44,176.11 102.5,177.17 103.06,179.29 103.53,180.59 103.92,184.56 104,185.07 104.69,188.49 104.86,189.42 105.11,191.16 105.83,195.25 106.22,198.33 106.37,199.56 106.55,203.07 106.62,204.27 106.79,217.27 106.83,217.77 106.57,220.76 104.85,224.19 103.98,225.42 102.8,228.07 102.61,229.35 102.53,230.21 102.51,245.42 102.49,245.52 102.6,247.01 102.76,247.76 ; v1(82.18,283.59) 82.77,284.86 84.05,286.58 84.62,287.51 85.71,288.97 87.31,291.54 87.94,293.13 88.35,295.21 88.67,296.23 89.5,298.75 89.65,299.12 90.17,299.71 91.03,300.78 v1(92.5,301.72) ; 406.84,158.64 406.82,157.31 406.63,151.02 406.69,148.32 406.58,144.25 406.6,141.75 406.44,139.37 406.47,136.3 406.35,128.1 406.35,124.78 406.28,115 406.27,111.94 406.2,108.68 406.31,106.17 406.17,104.05 406.12,101.53 406.06,91.32 406.11,87.73 406.01,79.31 406.02,77.07 ; 403.45,76.82 403.46,79.03 403.88,137.57 403.87,141.02 403.97,149.81 403.94,150.93 404.02,162.09 404.09,171.29 404.09,180.22 404.09,182.8 404.12,186.46 404.12,188.92 404.05,192.44 404.12,193.82 404.42,198.01 404.66,200.48 404.64,208.03 404.59,209.42 404.47,210.89 404.2,211.5 v1(403.98,211.92) ; v1(91.74,304.66) 90.69,303.49 90.08,302.53 89,301.03 88.51,299.18 87.31,296.75 86.48,294.82 85.62,292.97 84.55,290.82 82.19,287.27 v1(82.19,287.26) ; v1(221.18,119.75) 221.18,120.33 221.62,120.77 221.5,131.89 221.45,133.28 221.43,134.64 221.4,141.53 221.31,142.87 221.23,143.42 221.21,156.05 220.97,156.85 221.11,160.13 221.01,161.92 220.82,169.3 ; v1(393.57,300.74) 392.71,301.6 391.71,301.96 390.74,302.51 390.34,302.66 389.48,303.06 388.91,303.31 387.72,303.97 387.07,304.12 v1(386.59,304.14) ; 135.3,197.11 135.18,195.88 135.14,193.97 ; v1(287.9,59.18) 288.6,58.31 289.21,56.06 289.12,55.03 288.89,54.12 288.85,53.21 288.47,50.05 288.27,48.42 288.41,40.2 288.45,27.33 288.45,20.6 288.65,11.61 288.87,7.66 v1(289.12,5.82) ; v1(222.46,315.67) 222.46,316.73 222.26,317.57 222.19,330.08 222.34,330.8 222.69,332.89 222.97,333.58 v1(223.34,334.75) ; 172.52,251.64 172.58,253.11 172.41,255.57 v1(172.14,258.36) ; 180.32,238.77 180.32,238.18 180.36,230.94 180.26,226.27 180.08,211.96 180.11,210.27 179.94,201.17 180.06,199.28 179.98,191.19 179.77,187.49 179.35,184.79 179.18,182.16 ; v1(365.36,184.49) 365.82,185.93 366.04,187.75 366.22,189.13 366.51,190.53 366.54,191.41 366.72,192.06 366.85,193.41 367.03,194.43 367.29,197.25 367.38,200.5 367.4,201.28 367.26,207.28 367.22,207.52 367.2,208.2 367.04,211.28 366.96,212.28 366.81,219.64 366.81,220.08 366.79,221.61 v1(366.67,222.74) ; 283.91,235.57 284.07,237.63 284.12,240.07 284.12,245.49 284.22,247.04 284.39,251.84 284.46,253.41 284.51,254.79 284.67,254.95 v1(284.67,255.54) ; v1(143.07,293.72) 142.94,293.86 v1(142.94,299.07) ; v1(141.8,210.08) 141.04,214.78 140.57,217.81 139.71,222.19 139.21,224.73 139.03,226.37 138.93,229.09 138.95,230.27 ; 92.52,91.67 90.51,93.15 89.15,94.11 87.92,94.86 86.85,95.43 v1(85.51,96.22) ; v1(174.88,121.01) 175.09,85.44 174.98,84.42 174.94,82.55 174.87,80.81 174.53,77.66 174.43,76.48 174.14,74.44 173.55,70.96 173.13,67.53 172.83,65.54 172.35,62.95 172.11,61.47 172.01,60.51 171.62,57.28 171.29,49.84 171.3,45.9 171.08,40.39 171,39.08 170.91,36.13 170.28,29.42 170.19,28.73 169.98,26.69 169.92,26.02 169.73,23.35 169.66,22.61 v1(169.45,21.9) ; v1(290.5,19.63) 290.43,19.6 ; v1(175.97,357.62) 175.97,361.32 v1(176,361.36) ; v1(215.6,323.45) 215.88,323.18 215.88,322.44 215.89,319.91 215.74,305.45 215.79,304.72 215.78,301.92 215.81,295.09 215.7,285.83 215.7,274.18 215.71,274.06 215.81,259.99 215.9,258.62 215.75,254.75 215.78,253.39 215.92,250.13 v1(216.39,248.4) ; 220.53,304.53 219.16,307.61 218.92,309.2 218.47,313.22 218.35,315.25 218.35,316.12 218.4,321.94 218.52,323.16 218.55,325.17 218.76,326.51 218.85,329.32 219.12,330.56 219.44,335.46 218.29,341.12 218.37,342.38 219.41,344.47 v1(219.91,345.56) ; 130.98,147.78 130.99,149.58 131.45,152.7 132.06,154.76 133.51,157.44 134.07,158.65 134.82,160.87 135.1,162.46 135.18,192.02 135.1,193 135.14,192.97 135.18,194.13 ; v1(82.61,61.95) 82.84,61.72 84.59,61.81 85.06,61.92 85.34,62.1 85.29,62.05 86.07,62.22 87.14,62.94 87.51,63.35 87.51,63.43 87.9,63.89 88.21,64.5 88.32,65.19 88.56,65.8 88.76,67.19 88.81,71.5 88.88,72.69 88.74,75.19 88.82,76.55 88.96,77.25 v1(88.93,77.64) ; v1(169.51,328.22) 168.78,327.36 168.24,325.49 168.04,324.1 168.04,322.91 167.89,314.24 167.92,311.83 167.75,300.61 167.81,299.7 167.7,297.66 167.72,296.26 167.73,290.5 167.62,286.11 167.72,268.23 167.75,267.21 167.8,264.06 167.7,259.72 167.81,235.57 167.72,231.77 167.87,226.07 167.89,222.99 167.84,214.48 167.89,208.03 167.89,202.2 167.92,200.29 168.06,171 167.93,166.13 168.29,163.55 168.63,161.85 169.74,159.27 170.47,157.84 170.64,151.23 170.31,149.24 169.83,147.23 169.2,144.64 168.9,143.3 168.32,140.58 168.18,138.82 168.01,123.8 168.07,120.98 168.26,119.2 168.88,116.56 169.43,115.08 170.1,113.57 170.45,112.35 170.6,108.74 170.63,107.99 170.74,85.53 170.25,84.04 169.16,81.67 168.5,79.75 168.34,75.09 v1(168.6,73.49) ; v1(330.91,267.4) 330.97,267.47 v1(330.97,270.72) ; v1(219.99,117.76) 219.61,118.28 219.51,120.81 219.9,122.25 220.35,123.56 220.55,126.75 220.66,135.46 220.46,137.7 219.83,154.11 219.74,155.57 v1(219.55,160.61) ; 101.8,122.82 102.04,121.29 102.75,116.51 102.75,113.81 102.79,113.32 103.1,92.54 102.65,84.82 102.65,83.75 102.46,83.08 102.35,82.49 101.91,80.6 101.64,79.58 101.29,78.36 101.39,76.74 102.22,74.68 102.9,74.14 v1(102.9,73.82) ; v1(181.02,164.29) 180.77,163.03 180.17,157.31 180.04,155.99 179.57,150.89 179.5,149.74 179.25,144.81 179.21,144 179.21,142.96 179.18,138.15 179.25,135.89 179.25,135.11 179.57,128.3 179.68,127.81 179.78,120.55 179.54,118.82 179.36,115.63 179.29,113.81 179.15,104.59 179.03,84.96 179.16,84.26 179.17,83.62 179.16,78.96 179.11,78.46 179.04,77.7 179.04,73.44 178.92,73.32 178.68,71.22 178.63,69.83 178.42,67.81 178.21,66.77 177.85,64.93 177.92,62.67 177.8,61.45 177.93,61 178.17,60 178.52,57.83 178.65,56.22 178.86,54.55 179.07,39.79 179.11,38.24 179.3,36.1 179.35,34.84 179.39,34.22 179.53,30.2 179.63,28.47 179.73,24.5 179.33,22.75 179.07,21.42 178.94,20.41 178.77,19.66 178.56,18.49 178.48,17.83 178.19,16.49 178.06,15.06 v1(177.8,14.44) ; 133.88,257.68 133.81,256.23 133.57,253.86 133.88,247.11 134.16,242.8 134.36,239.13 134.81,233.55 135.16,228.92 135.26,226.56 135.63,222.57 135.85,217.92 135.71,212.9 135.6,211.02 135.71,209.06 136.16,207.9 v1(136.92,206.94) ; v1(293.23,175.23) 293.26,175.26 v1(293.26,194.42) ; v1(175.14,124.08) 174.78,144.73 174.99,151.71 174.87,158.56 174.99,163.41 175.2,173.17 175.39,194.79 175.49,202.84 175.36,226.57 v1(175.82,227.03) ; v1(142.14,206.87) 142.47,206.41 142.54,204.28 142.24,199.03 142.21,194.48 142.27,193.85 142.49,186.8 142.33,184.43 142.28,183.24 142.06,182.2 141.91,179.96 140.69,174.83 140.18,171.73 139.92,170.72 139.64,168.53 139.52,165.88 139.15,162.55 138.72,157.88 138.27,156.84 138.13,149.05 138.12,147.04 138.01,145.55 137.74,143.63 137.65,142.08 137.27,139.06 136.72,135.38 136.42,134.1 136.26,132.55 136.1,131.16 136.12,130.87 v1(136.12,130.46) ; 176.05,164.61 175.99,163.21 175.93,162.6 175.85,161.47 175.93,159.19 176.03,157.53 176.05,157.1 175.89,146.11 175.97,143.48 175.87,137.37 175.86,135.81 175.86,131.37 175.87,130.84 176.02,128.7 176.09,128.51 176.33,126.05 176.54,125.24 176.46,121.36 176.31,119.84 176.06,112.07 ; 94.61,65.27 94.48,65.93 94.38,67.01 94.29,70.36 94.45,72.21 94.52,73.86 94.61,74.79 94.77,76.71 94.81,77.3 94.82,78.09 94.87,78.78 94.76,80 94.67,80.77 94.41,81.63 93.64,83.43 93.45,83.76 93.13,84.24 92.77,84.71 92.01,85.8 91.22,86.64 90.84,87.17 89.93,88.07 89.18,88.62 87.99,88.99 86.83,89.28 86.18,89.34 v1(85.3,89.86) ; 94.61,65.27 94.63,65.25 ; v1(366.8,239.2) 367.12,239.75 367.34,240.74 367.7,241.74 367.8,243.03 367.84,243.59 367.93,244.82 367.7,248.78 367.67,250.77 367.3,254.93 367.05,256.06 366.75,256.98 366.4,258.06 366.11,258.89 365.75,259.97 v1(365.41,260.58) ; 286.74,246.14 287.59,248.4 287.97,249.98 288.38,277.28 288.53,280.94 288.37,286.38 288.16,287.23 287.92,287.83 287.96,287.83 287.5,289.81 287.17,291.25 ; v1(291.63,337.03) 291.84,335.65 291.56,329.32 291.46,322.57 289.62,316.01 v1(287.81,311.71) ; v1(250.28,272.55) 250.45,273.03 250.73,274.92 250.74,275.28 251.02,277.9 251.12,278.93 251.4,282.13 251.51,283.29 251.6,285.91 251.65,285.96 251.65,290.15 251.66,291.18 251.46,293.75 251.41,294.48 v1(251.26,295.21) ; v1(332.57,236.5) 332.79,234.61 332.95,233.77 333.36,229.42 333.26,225.43 333.06,217.13 333.06,215.49 332.95,202.13 332.95,191.6 332.95,171.15 ; v1(294.04,232.23) 293.76,232.52 v1(293.76,236.57) 294.21,237.91 294.41,240.1 294.37,240.82 294.3,242.89 294.21,244.74 294.22,247.03 294.12,256.35 294.15,271.77 294.25,276.25 294.22,277.8 294.15,278.85 294.17,281.93 294.01,289.99 293.97,296.64 293.94,296.67 293.94,298.69 v1(293.86,298.77) ; 289.38,2.26 289.35,2.26 v1(289.3,2.2) 289.25,2.26 288.12,2.45 287.64,2.78 286.73,3.96 286.14,6.73 v1(284.21,57.98) 284.12,58.96 284.34,60.76 284.85,64.44 285.01,77.05 284.43,130.36 284.48,130.9 284.48,141.42 284.58,143.06 284.55,148.19 284.58,150.58 284.55,163.2 284.42,163.89 284.02,171.2 283.7,174.32 283.7,179.52 283.11,183.92 283.05,185.23 ; v1(335.94,318.92) 335.98,318.96 v1(335.98,356) ; v1(182.41,235.57) 182.04,234.04 181.73,232.93 181.65,232.22 181.51,230.35 181.51,227.44 181.47,227.4 181.21,178.78 180.94,177.45 180.3,175.63 179.45,173.57 178.6,171.58 177.57,168.97 175.98,164.36 ; v1(133.04,64.79) 132.78,64.53 132.67,26.85 132.63,23.48 132.68,23.06 132.68,6.41 v1(132.69,6.4) ; 212.27,159.38 212.3,162.14 212.58,163.74 212.54,163.78 212.54,171.13 212.35,172.8 212.03,184.96 212.09,187.96 212.17,191.76 212.5,193.61 213.1,196.76 213.63,201.35 213.89,205.38 213.08,217.06 213.1,238.34 212.96,239.27 213.14,240.02 v1(213.24,243.29) ; v1(96,246.38) 96.23,246.38 96.59,247.19 97.4,248.84 97.59,249.97 97.59,251.51 97.47,253.24 97.02,255.21 96.81,256.33 94.75,259 94.66,259.09 94.66,261.88 94.61,261.93 94.61,263.55 94.66,263.6 94.66,265.65 94.41,266.98 94.19,268.84 93.81,270.41 93.68,271.09 93.73,271.13 93.73,273.09 93.77,273.3 93.88,279.75 93.79,281.15 93.92,283.92 ; 335.76,104.86 v1(335.49,102.55) ; v1(220.07,203.35) 219.79,200.33 219.7,199.45 219.09,194.54 218.7,191.74 217.46,185.91 216.75,182.65 215.88,178.13 ; 168.87,265.69 168.67,280.71 168.84,290 168.93,304.4 168.93,305.82 169.02,310.72 169.02,313.04 169.92,315.15 170.12,315.61 v1(170.62,316.91) ; v1(253.96,322.18) 254.03,321.3 254.16,320.62 254.16,311.83 v1(254.21,311.78) 253.85,310.54 253.62,309.3 253.49,305.55 253.42,304.39 253.47,303.49 253.69,301.51
  Top w0.2: 83.24,328.32 v1(83.3,328.37) 84.31,328.46 ; 88.97,328.4 88.96,328.4 v1(88.94,328.41) 88.93,328.4 87.98,328.4 ; v1(82.12,324.5) 92.28,324.5
  Top w0.25: 95.06,254.52 94.9,254.52 v1(94.88,254.49) 92.42,254.82 87.54,254.39 85.89,253.88 v1(86.01,253.88) 86.01,254 85.99,253.98 ; v1(92.19,314.42) 92.86,315.98 93.64,318.38 94.6,321.11 95.83,324.55 96.7,328.16 97.44,331.02 v1(98.44,336.05) ; 92.38,335.94 92.33,335.99 v2(92.28,335.99) v2(85.88,335.99) 86.03,335.99 ; 169.58,341.74 v2(169.58,341.69) v2(169.53,347.44) 169.58,347.38 ; v2(137.78,361.33) 137.93,360.44 138.18,358.83 ; v2(134.98,156.69) 135.63,158.59 135.93,159.74 136.43,165.94 136.43,168.63 136.33,179.78 138.63,192.03 138.48,201.78 138.68,204.94 139.28,206.63 139.93,208.09 140.18,209.88 139.83,213.19 139.53,216.44 139.28,217.28 138.53,223.63 138.18,225.49 138.03,233.88 137.98,235.19 137.63,237.84 136.83,241.38 136.98,247.94 136.93,250.34 136.78,252.94 136.83,256.84 137.33,260.34 137.28,261.84 136.93,264.53 136.93,268.09 137.23,272.09 137.58,275.09 138.33,288.78 138.43,291.24 138.83,312.13 138.93,321.24 139.03,327.19 139.78,333.19 139.63,337.74 138.73,343.24 138.53,355.08 138.18,358.83 ; 138.18,358.83 138.18,358.69 ; 85.45,246.35 85.4,246.35 v1(85.4,246.39) 85.5,246.35 87.86,247.47 v1(89.77,248.49) 89.58,248.32 ; 84.31,328.46 87.98,328.4 ; v1(89.15,250.76) 88.52,250.02 86.32,248.92 v1(85.5,248.74) ; v1(85.55,251.38) 88.4,252.9 90.74,252.58 94.88,252 v1(94.88,251.94) 94.94,251.94 94.97,251.91 ; v2(92.28,332.09) 92.08,332.28 v2(84.53,332.24) 84.48,332.28 ; v1(82.97,240.29) 84.2,240.75 89.33,244.68 93.7,248.39 v1(94.75,249.23) 94.79,249.13 ; v2(86.53,339.94) 92.23,339.94 v2(92.28,339.88) 92.33,339.83 ; v1(103.64,341.04) 103.12,339.38 101.94,335.69 100.92,331.92 100.57,330.86 100.31,329.75 99.85,327.89 99.24,325.23 v1(98.57,320.81)
  vias: v1(80.97,349.88) v1(98.56,314.33) v1(99.91,285.01) v1(100.05,271.17) v1(102.34,302.91) v1(102.42,288.86) v1(106.2,334.64) v1(106.25,320.74) v1(131.21,75.01) v1(132.11,332.03) v1(134.44,75.01) v1(136.99,334.24) v1(177.78,293.88) v1(213.68,152.67) v1(215.28,208.89) v1(217.49,-1.43) v1(222.62,30.85) v1(253.01,18.57) v1(290.38,268.48) v1(308.88,345.81) v1(331.01,345.87) v1(333.03,171.06) v1(338.48,350.77) v1(365.72,294.55) v2(81.33,185.78)
